# KiCad board PieBoard.kicad_pcb (continued)
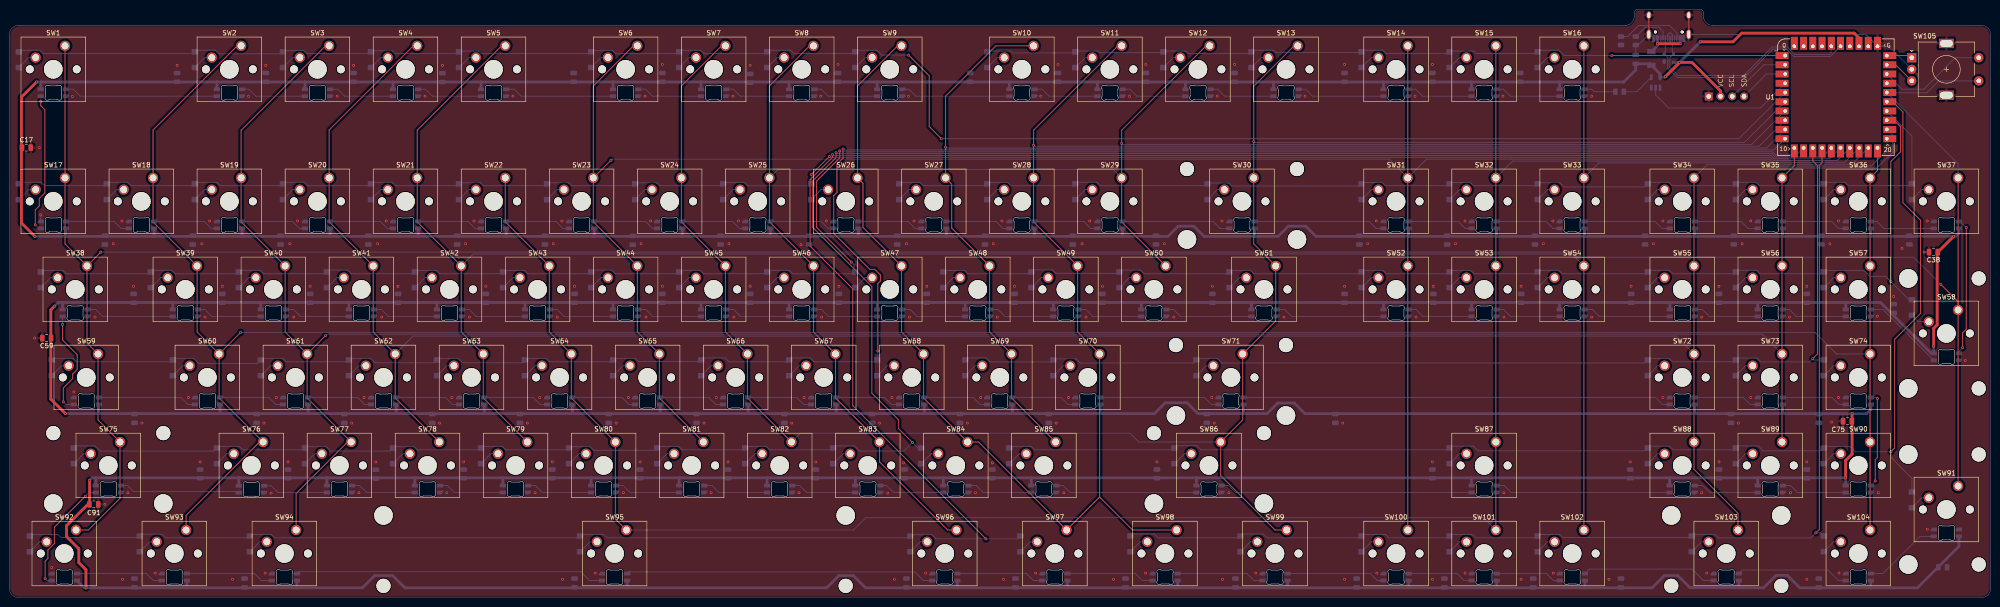
[diagram p0: board, top side]
## Library data of the parts
C1 = -: Description: Unpolarized capacitor; LCSC PN: C49678; ki_fp_filters: C_*
C2-C104 = -: Description: Unpolarized capacitor; ki_fp_filters: C_*
D1-D104 = -: Description: Diode; Sim.Pins: 1=K 2=A; LCSC PN: C2099; ki_fp_filters: TO-???* *_Diode_* *SingleDiode* D_*
D105 = -: Datasheet: https://assets.nexperia.com/documents/data-sheet/PRTR5V0U2X.pdf; Description: Ultra low capacitance double rail-to-rail ESD protection diode, SOT-143; LCSC PN: C12333; ki_fp_filters: SOT?143*
F1 = -: LCSC PN: C151162; ki_fp_filters: *Fuse*
J1 = -: Datasheet: https://www.usb.org/sites/default/files/documents/usb_type-c.zip; Description: USB 2.0-only 16P Type-C Receptacle connector; LCSC PN: C165948; ki_fp_filters: USB*C*Receptacle*
J3 = -: Description: Generic connector, single row, 01x04, script generated; ki_fp_filters: Connector*:*_1x??_*
LED1-LED104 = -: Datasheet: https://cdn-shop.adafruit.com/product-files/2686/SK6812MINI_REV.01-1-2.pdf; Description: RGB LED with integrated controller; LCSC PN: C5149201; ki_fp_filters: LED*SK6812MINI*PLCC*3.5x3.5mm*P1.75mm*
R1 R2 = -: Description: Resistor; LCSC PN: C27834; ki_fp_filters: R_*
R3 = -: Description: Resistor; LCSC PN: C17634; ki_fp_filters: R_*
SW1-SW104 = -: Description: Push button switch, generic, two pins
SW105 = -: Description: Rotary encoder, dual channel, incremental quadrate outputs, with switch and MP Pin; LCSC PN: C370992; ki_fp_filters: RotaryEncoder*Switch*
U1 = -: ki_fp_filters: RP2xxx_Stamp*
U2 = -: Datasheet: https://www.ti.com/lit/ds/symlink/sn74lv1t34.pdf; Description: Single Power Supply, Single Buffer GATE, CMOS Logic, Level Shifter, SOT-23-5; ki_fp_filters: SOT?23*

## Footprints (pads in the part's own frame, mm; a bottom-side part is the same pattern mirrored in y, then rotated)
1206L05015YR
  rect 1.16x1.82 smd: 1(-1.475,0) 2(1.475,0)
C_0805_2012Metric
  rrect 1x1.45 smd: 1(-0.95,0) 2(0.95,0)
D_SOD123
  rect 1.2x1.4 smd: 1(-1.7,0) 2(1.7,0)
LED_MX_6028R
  rrect 1.35x0.82 smd: 1(2.725,0.75) 2(2.725,-0.75) 3(-2.725,-0.75) 4(-2.725,0.75)
LED_MX_6028R-ROT
  rrect 1.35x0.82 smd: 1(-2.725,-0.75) 2(-2.725,0.75) 3(2.725,0.75) 4(2.725,-0.75)
PinHeader_1x04_P2.54mm_Horizontal
  rect 1.7x1.7 hole 1: 1(0,0)
  round 1.7 hole 1: 2(0,-2.54) 3(0,-5.08) 4(0,-7.62)
R_0805_2012Metric
  rrect 1.025x1.4 smd: 1(-0.912,0) 2(0.912,0)
RotaryEncoder_Alps_EC11E-Switch_Vertical_H20mm
  rect 2x2 hole 1: A(0,0)
  round 2 hole 1: B(0,-5) C(0,-2.5) S1(14.5,-5) S2(14.5,0)
  rect 3.2x2 hole 2.8x1.5: MP(7.5,3.1) MP(7.5,-8.1)
RP2xxx_Stamp_THT
  rect 2.8x1.5 smd: 1(-11.65,9) 2(-11.65,7) 3(-11.65,5) 4(-11.65,3) 5(-11.65,1) 6(-11.65,-1) 7(-11.65,-3) 8(-11.65,-5) 9(-11.65,-7) 10(-11.65,-9) 21(11.65,-9) 22(11.65,-7) 23(11.65,-5) 24(11.65,-3) 25(11.65,-1) 26(11.65,1) 27(11.65,3) 28(11.65,5) 29(11.65,7) 30(11.65,9)
  round 1.35 hole 0.8: 1(-11,9)
  oval 1.35x1.35 hole 0.8: 2(-11,7) 3(-11,5) 4(-11,3) 5(-11,1) 6(-11,-1) 7(-11,-3) 8(-11,-5) 9(-11,-7) 10(-11,-9) 11(-9,-11) 12(-7,-11) 13(-5,-11) 14(-3,-11) 15(-1,-11) 16(1,-11) 17(3,-11) 18(5,-11) 19(7,-11) 20(9,-11) 21(11,-9) 22(11,-7) 23(11,-5) 24(11,-3) 25(11,-1) 26(11,1) 27(11,3) 28(11,5) 29(11,7) 30(11,9) 31(9,11) 32(7,11) 33(5,11) 34(3,11) 35(1,11) 36(-1,11) 37(-3,11) 38(-5,11) 39(-7,11) 40(-9,11)
  rect 1.5x2.8 smd: 11(-9,-11.65) 12(-7,-11.65) 13(-5,-11.65) 14(-3,-11.65) 15(-1,-11.65) 16(1,-11.65) 17(3,-11.65) 18(5,-11.65) 19(7,-11.65) 20(9,-11.65) 31(9,11.65) 32(7,11.65) 33(5,11.65) 34(3,11.65) 35(1,11.65) 36(-1,11.65) 37(-3,11.65) 38(-5,11.65) 39(-7,11.65) 40(-9,11.65)
SOT-23-5
  rrect 1.325x0.6 smd: 1(-1.137,0.95) 2(-1.137,0) 3(-1.137,-0.95) 4(1.137,-0.95) 5(1.137,0.95)
SOT-143
  rrect 0.7x1 smd: 1(-1,0.75)
  rrect 0.7x0.6 smd: 2(-1,-0.95) 3(1,-0.95) 4(1,0.95)
SW_Cherry_MX_1.00u_PCB
  round 1.7 hole 1.7 unplated: (-7.62,-5.08) (2.54,-5.08)
  round 4 hole 4 unplated: (-2.54,-5.08)
  round 2.2 hole 1.5: 1(0,0) 2(-6.35,-2.54)
SW_Cherry_MX_1.25u_PCB
  round 1.7 hole 1.7 unplated: (-7.62,-5.08) (2.54,-5.08)
  round 4 hole 4 unplated: (-2.54,-5.08)
  round 2.2 hole 1.5: 1(0,0) 2(-6.35,-2.54)
SW_Cherry_MX_1.50u_PCB
  round 1.7 hole 1.7 unplated: (-7.62,-5.08) (2.54,-5.08)
  round 4 hole 4 unplated: (-2.54,-5.08)
  round 2.2 hole 1.5: 1(0,0) 2(-6.35,-2.54)
SW_Cherry_MX_1.75u_PCB
  round 1.7 hole 1.7 unplated: (-7.62,-5.08) (2.54,-5.08)
  round 4 hole 4 unplated: (-2.54,-5.08)
  round 2.2 hole 1.5: 1(0,0) 2(-6.35,-2.54)
SW_Cherry_MX_2.00u_PCB
  round 3.05 hole 3.05 unplated: (-14.44,1.92) (9.36,1.92)
  round 4 hole 4 unplated: (-14.44,-13.32) (-2.54,-5.08) (9.36,-13.32)
  round 1.7 hole 1.7 unplated: (-7.62,-5.08) (2.54,-5.08)
  round 2.2 hole 1.5: 1(0,0) 2(-6.35,-2.54)
SW_Cherry_MX_2.00u_PCB_RSTAB
  round 4 hole 4 unplated: (-14.44,3.16) (-2.54,-5.08) (9.36,3.16)
  round 3.05 hole 3.05 unplated: (-14.44,-12.08) (9.36,-12.08)
  round 1.7 hole 1.7 unplated: (-7.62,-5.08) (2.54,-5.08)
  round 2.2 hole 1.5: 1(0,0) 2(-6.35,-2.54)
SW_Cherry_MX_2.00u_Vertical_PCB_RSTAB
  round 4 hole 4 unplated: (-10.78,6.82) (-10.78,-16.98) (-2.54,-5.08)
  round 1.7 hole 1.7 unplated: (-7.62,-5.08) (2.54,-5.08)
  round 3.05 hole 3.05 unplated: (4.46,6.82) (4.46,-16.98)
  round 2.2 hole 1.5: 1(0,0) 2(-6.35,-2.54)
SW_Cherry_MX_2.25u_PCB
  round 3.05 hole 3.05 unplated: (-14.44,1.92) (9.36,1.92)
  round 4 hole 4 unplated: (-14.44,-13.32) (-2.54,-5.08) (9.36,-13.32)
  round 1.7 hole 1.7 unplated: (-7.62,-5.08) (2.54,-5.08)
  round 2.2 hole 1.5: 1(0,0) 2(-6.35,-2.54)
SW_Cherry_MX_2.75u_PCB
  round 3.05 hole 3.05 unplated: (-14.44,1.92) (9.36,1.92)
  round 4 hole 4 unplated: (-14.44,-13.32) (-2.54,-5.08) (9.36,-13.32)
  round 1.7 hole 1.7 unplated: (-7.62,-5.08) (2.54,-5.08)
  round 2.2 hole 1.5: 1(0,0) 2(-6.35,-2.54)
SW_Cherry_MX_6.25u_PCB_RSTAB
  round 4 hole 4 unplated: (-52.54,3.16) (-2.54,-5.08) (47.46,3.16)
  round 3.05 hole 3.05 unplated: (-52.54,-12.08) (47.46,-12.08)
  round 1.7 hole 1.7 unplated: (-7.62,-5.08) (2.54,-5.08)
  round 2.2 hole 1.5: 1(0,0) 2(-6.35,-2.54)
USB_C_Receptacle_HRO_TYPE-C-31-M-12
  round 0.65 hole 0.65 unplated: (-2.89,2.6) (2.89,2.6)
  rect 0.6x1.45 smd: A1(-3.25,4.045) A4(-2.45,4.045) A9(2.45,4.045) A12(3.25,4.045) B1(3.25,4.045) B4(2.45,4.045) B9(-2.45,4.045) B12(-3.25,4.045)
  rect 0.3x1.45 smd: A5(-1.25,4.045) A6(-0.25,4.045) A7(0.25,4.045) A8(1.25,4.045) B5(1.75,4.045) B6(0.75,4.045) B7(-0.75,4.045) B8(-1.75,4.045)
  oval 1x1.6 hole 0.6x1.2: S1(-4.32,-1.05) S1(4.32,-1.05)
  oval 1x2.1 hole 0.6x1.7: S1(-4.32,3.13) S1(4.32,3.13)

## Nets
3v3_LED_DATA: U1.4 U2.2
5v_LED_DATA: LED1.4 R3.1
+5V: C1.2 C2.1 C3.1 C4.1 C5.1 C6.1 C7.1 C8.1 C9.1 C10.1 C11.1 C12.1 C13.1 C14.1 C15.1 C16.1 C17.1 C18.1 C19.1 C20.1 C21.1 C22.1 C23.1 C24.1 C25.1 C26.1 C27.1 C28.1 C29.1 C30.1 C31.1 C32.1 C33.1 C34.1 C35.1 C36.1 C37.1 C38.1 C39.1 C40.1 C41.1 C42.1 C43.1 C44.1 C45.1 C46.1 C47.1 C48.1 C49.1 C50.1 C51.1 C52.1 C53.1 C54.1 C55.1 C56.1 C57.1 C58.1 C59.1 C60.1 C61.1 C62.1 C63.1 C64.1 C65.1 C66.1 C67.1 C68.1 C69.1 C70.1 C71.1 C72.1 C73.1 C74.1 C75.1 C76.1 C77.1 C78.1 C79.1 C80.1 C81.1 C82.1 C83.1 C84.1 C85.1 C86.1 C87.1 C88.1 C89.1 C90.1 C91.1 C92.1 C93.1 C94.1 C95.1 C96.1 C97.1 C98.1 C99.1 C100.1 C101.1 C102.1 C103.1 C104.1 D105.4 F1.2 J3.2 LED1.1 LED2.1 LED3.1 LED4.1 LED5.1 LED6.1 LED7.1 LED8.1 LED9.1 LED10.1 LED11.1 LED12.1 LED13.1 LED14.1 LED15.1 LED16.1 LED17.1 LED18.1 LED19.1 LED20.1 LED21.1 LED22.1 LED23.1 LED24.1 LED25.1 LED26.1 LED27.1 LED28.1 LED29.1 LED30.1 LED31.1 LED32.1 LED33.1 LED34.1 LED35.1 LED36.1 LED37.1 LED38.1 LED39.1 LED40.1 LED41.1 LED42.1 LED43.1 LED44.1 LED45.1 LED46.1 LED47.1 LED48.1 LED49.1 LED50.1 LED51.1 LED52.1 LED53.1 LED54.1 LED55.1 LED56.1 LED57.1 LED58.1 LED59.1 LED60.1 LED61.1 LED62.1 LED63.1 LED64.1 LED65.1 LED66.1 LED67.1 LED68.1 LED69.1 LED70.1 LED71.1 LED72.1 LED73.1 LED74.1 LED75.1 LED76.1 LED77.1 LED78.1 LED79.1 LED80.1 LED81.1 LED82.1 LED83.1 LED84.1 LED85.1 LED86.1 LED87.1 LED88.1 LED89.1 LED90.1 LED91.1 LED92.1 LED93.1 LED94.1 LED95.1 LED96.1 LED97.1 LED98.1 LED99.1 LED100.1 LED101.1 LED102.1 LED103.1 LED104.1 U1.33 U2.5
GND: C1.1 C2.2 C3.2 C4.2 C5.2 C6.2 C7.2 C8.2 C9.2 C10.2 C11.2 C12.2 C13.2 C14.2 C15.2 C16.2 C17.2 C18.2 C19.2 C20.2 C21.2 C22.2 C23.2 C24.2 C25.2 C26.2 C27.2 C28.2 C29.2 C30.2 C31.2 C32.2 C33.2 C34.2 C35.2 C36.2 C37.2 C38.2 C39.2 C40.2 C41.2 C42.2 C43.2 C44.2 C45.2 C46.2 C47.2 C48.2 C49.2 C50.2 C51.2 C52.2 C53.2 C54.2 C55.2 C56.2 C57.2 C58.2 C59.2 C60.2 C61.2 C62.2 C63.2 C64.2 C65.2 C66.2 C67.2 C68.2 C69.2 C70.2 C71.2 C72.2 C73.2 C74.2 C75.2 C76.2 C77.2 C78.2 C79.2 C80.2 C81.2 C82.2 C83.2 C84.2 C85.2 C86.2 C87.2 C88.2 C89.2 C90.2 C91.2 C92.2 C93.2 C94.2 C95.2 C96.2 C97.2 C98.2 C99.2 C100.2 C101.2 C102.2 C103.2 C104.2 D105.1 J1.A1 J1.A12 J1.B1 J1.B12 J1.S1 J3.1 LED1.3 LED2.3 LED3.3 LED4.3 LED5.3 LED6.3 LED7.3 LED8.3 LED9.3 LED10.3 LED11.3 LED12.3 LED13.3 LED14.3 LED15.3 LED16.3 LED17.3 LED18.3 LED19.3 LED20.3 LED21.3 LED22.3 LED23.3 LED24.3 LED25.3 LED26.3 LED27.3 LED28.3 LED29.3 LED30.3 LED31.3 LED32.3 LED33.3 LED34.3 LED35.3 LED36.3 LED37.3 LED38.3 LED39.3 LED40.3 LED41.3 LED42.3 LED43.3 LED44.3 LED45.3 LED46.3 LED47.3 LED48.3 LED49.3 LED50.3 LED51.3 LED52.3 LED53.3 LED54.3 LED55.3 LED56.3 LED57.3 LED58.3 LED59.3 LED60.3 LED61.3 LED62.3 LED63.3 LED64.3 LED65.3 LED66.3 LED67.3 LED68.3 LED69.3 LED70.3 LED71.3 LED72.3 LED73.3 LED74.3 LED75.3 LED76.3 LED77.3 LED78.3 LED79.3 LED80.3 LED81.3 LED82.3 LED83.3 LED84.3 LED85.3 LED86.3 LED87.3 LED88.3 LED89.3 LED90.3 LED91.3 LED92.3 LED93.3 LED94.3 LED95.3 LED96.3 LED97.3 LED98.3 LED99.3 LED100.3 LED101.3 LED102.3 LED103.3 LED104.3 R1.1 R2.1 SW105.C SW105.MP U1.31 U2.3
VBUS: F1.1 J1.A4 J1.A9 J1.B4 J1.B9
CC1: J1.B5 R2.2
CC2: J1.A5 R1.2
COL1: SW1.1 SW17.1 SW37.1 SW38.1 SW58.1 SW59.1 SW75.1 SW91.1 SW92.1 U1.26
COL2: SW2.1 SW18.1 SW36.1 SW39.1 SW57.1 SW60.1 SW74.1 SW76.1 SW90.1 SW93.1 SW104.1 U1.20
COL3: SW3.1 SW19.1 SW35.1 SW40.1 SW56.1 SW61.1 SW73.1 SW77.1 SW89.1 SW94.1 U1.11
COL4: SW4.1 SW20.1 SW34.1 SW41.1 SW55.1 SW62.1 SW72.1 SW78.1 SW88.1 SW103.1 U1.22
COL5: SW5.1 SW16.1 SW21.1 SW33.1 SW42.1 SW54.1 SW63.1 SW79.1 SW102.1 U1.21
COL6: SW15.1 SW22.1 SW32.1 SW43.1 SW53.1 SW64.1 SW80.1 SW87.1 SW95.1 SW101.1 U1.19
COL7: SW6.1 SW14.1 SW23.1 SW31.1 SW44.1 SW52.1 SW65.1 SW81.1 SW100.1 U1.18
COL8: SW7.1 SW13.1 SW24.1 SW30.1 SW45.1 SW51.1 SW66.1 SW71.1 SW82.1 SW86.1 SW99.1 U1.6
COL9: SW8.1 SW12.1 SW25.1 SW29.1 SW46.1 SW50.1 SW67.1 SW83.1 SW96.1 U1.7
COL10: SW9.1 SW11.1 SW26.1 SW28.1 SW47.1 SW49.1 SW68.1 SW70.1 SW84.1 SW97.1 SW98.1 U1.8
COL11: SW10.1 SW27.1 SW48.1 SW69.1 SW85.1 U1.9
Encoder_Push_A: SW105.S1 U1.27
Encoder_Push_B: SW105.S2 U1.28
Encoder_Rotate_A: SW105.A U1.30
Encoder_Rotate_B: SW105.B U1.29
OLED_SCL: J3.3 U1.2
OLED_SDA: J3.4 U1.3
ROW1: D1.1 D2.1 D3.1 D4.1 D5.1 D6.1 D7.1 D8.1 D9.1 U1.5
ROW2: D17.1 D18.1 D19.1 D20.1 D21.1 D22.1 D23.1 D24.1 D25.1 D26.1 U1.17
ROW3: D38.1 D39.1 D40.1 D41.1 D42.1 D43.1 D44.1 D45.1 D46.1 D47.1 U1.12
ROW4: D59.1 D60.1 D61.1 D62.1 D63.1 D64.1 D65.1 D66.1 D67.1 D68.1 U1.10
ROW5: D75.1 D76.1 D77.1 D78.1 D79.1 D80.1 D81.1 D82.1 D83.1 D84.1 U1.15
ROW6: D92.1 D93.1 D94.1 D95.1 D96.1 D97.1 U1.16
ROW7: D10.1 D11.1 D12.1 D13.1 D14.1 D15.1 D16.1 U1.1
ROW8: D27.1 D28.1 D29.1 D30.1 D31.1 D32.1 D33.1 D34.1 D35.1 D36.1 D37.1 U1.24
ROW9: D48.1 D49.1 D50.1 D51.1 D52.1 D53.1 D54.1 D55.1 D56.1 D57.1 D58.1 U1.23
ROW10: D69.1 D70.1 D71.1 D72.1 D73.1 D74.1 U1.13
ROW11: D85.1 D86.1 D87.1 D88.1 D89.1 D90.1 D91.1 U1.25
ROW12: D98.1 D99.1 D100.1 D101.1 D102.1 D103.1 D104.1 U1.14
USB_D+: D105.3 J1.A6 J1.B6 U1.36
USB_D-: D105.2 J1.A7 J1.B7 U1.35
Net-(D1-A): D1.2 SW1.2
Net-(D2-A): D2.2 SW2.2
Net-(D3-A): D3.2 SW3.2
Net-(D4-A): D4.2 SW4.2
Net-(D5-A): D5.2 SW5.2
Net-(D6-A): D6.2 SW6.2
Net-(D7-A): D7.2 SW7.2
Net-(D8-A): D8.2 SW8.2
Net-(D9-A): D9.2 SW9.2
Net-(D10-A): D10.2 SW10.2
Net-(D11-A): D11.2 SW11.2
Net-(D12-A): D12.2 SW12.2
Net-(D13-A): D13.2 SW13.2
Net-(D14-A): D14.2 SW14.2
Net-(D15-A): D15.2 SW15.2
Net-(D16-A): D16.2 SW16.2
Net-(D17-A): D17.2 SW17.2
Net-(D18-A): D18.2 SW18.2
Net-(D19-A): D19.2 SW19.2
Net-(D20-A): D20.2 SW20.2
Net-(D21-A): D21.2 SW21.2
Net-(D22-A): D22.2 SW22.2
Net-(D23-A): D23.2 SW23.2
Net-(D24-A): D24.2 SW24.2
Net-(D25-A): D25.2 SW25.2
Net-(D26-A): D26.2 SW26.2
Net-(D27-A): D27.2 SW27.2
Net-(D28-A): D28.2 SW28.2
Net-(D29-A): D29.2 SW29.2
Net-(D30-A): D30.2 SW30.2
Net-(D31-A): D31.2 SW31.2
Net-(D32-A): D32.2 SW32.2
Net-(D33-A): D33.2 SW33.2
Net-(D34-A): D34.2 SW34.2
Net-(D35-A): D35.2 SW35.2
Net-(D36-A): D36.2 SW36.2
Net-(D37-A): D37.2 SW37.2
Net-(D38-A): D38.2 SW38.2
Net-(D39-A): D39.2 SW39.2
Net-(D40-A): D40.2 SW40.2
Net-(D41-A): D41.2 SW41.2
Net-(D42-A): D42.2 SW42.2
Net-(D43-A): D43.2 SW43.2
Net-(D44-A): D44.2 SW44.2
Net-(D45-A): D45.2 SW45.2
Net-(D46-A): D46.2 SW46.2
Net-(D47-A): D47.2 SW47.2
Net-(D48-A): D48.2 SW48.2
Net-(D49-A): D49.2 SW49.2
Net-(D50-A): D50.2 SW50.2
Net-(D51-A): D51.2 SW51.2
Net-(D52-A): D52.2 SW52.2
Net-(D53-A): D53.2 SW53.2
Net-(D54-A): D54.2 SW54.2
Net-(D55-A): D55.2 SW55.2
Net-(D56-A): D56.2 SW56.2
Net-(D57-A): D57.2 SW57.2
Net-(D58-A): D58.2 SW58.2
Net-(D59-A): D59.2 SW59.2
Net-(D60-A): D60.2 SW60.2
Net-(D61-A): D61.2 SW61.2
Net-(D62-A): D62.2 SW62.2
Net-(D63-A): D63.2 SW63.2
Net-(D64-A): D64.2 SW64.2
Net-(D65-A): D65.2 SW65.2
Net-(D66-A): D66.2 SW66.2
Net-(D67-A): D67.2 SW67.2
Net-(D68-A): D68.2 SW68.2
Net-(D69-A): D69.2 SW69.2
Net-(D70-A): D70.2 SW70.2
Net-(D71-A): D71.2 SW71.2
Net-(D72-A): D72.2 SW72.2
Net-(D73-A): D73.2 SW73.2
Net-(D74-A): D74.2 SW74.2
Net-(D75-A): D75.2 SW75.2
Net-(D76-A): D76.2 SW76.2
Net-(D77-A): D77.2 SW77.2
Net-(D78-A): D78.2 SW78.2
Net-(D79-A): D79.2 SW79.2
Net-(D80-A): D80.2 SW80.2
Net-(D81-A): D81.2 SW81.2
Net-(D82-A): D82.2 SW82.2
Net-(D83-A): D83.2 SW83.2
Net-(D84-A): D84.2 SW84.2
Net-(D85-A): D85.2 SW85.2
Net-(D86-A): D86.2 SW86.2
Net-(D87-A): D87.2 SW87.2
Net-(D88-A): D88.2 SW88.2
Net-(D89-A): D89.2 SW89.2
Net-(D90-A): D90.2 SW90.2
Net-(D91-A): D91.2 SW91.2
Net-(D92-A): D92.2 SW92.2
Net-(D93-A): D93.2 SW93.2
Net-(D94-A): D94.2 SW94.2
Net-(D95-A): D95.2 SW95.2
Net-(D96-A): D96.2 SW96.2
Net-(D97-A): D97.2 SW97.2
Net-(D98-A): D98.2 SW98.2
Net-(D99-A): D99.2 SW99.2
Net-(D100-A): D100.2 SW100.2
Net-(D101-A): D101.2 SW101.2
Net-(D102-A): D102.2 SW102.2
Net-(D103-A): D103.2 SW103.2
Net-(D104-A): D104.2 SW104.2
Net-(LED1-DOUT): LED1.2 LED2.4
Net-(LED2-DOUT): LED2.2 LED3.4
Net-(LED3-DOUT): LED3.2 LED4.4
Net-(LED4-DOUT): LED4.2 LED5.4
Net-(LED5-DOUT): LED5.2 LED6.4
Net-(LED6-DOUT): LED6.2 LED7.4
Net-(LED7-DOUT): LED7.2 LED8.4
Net-(LED8-DOUT): LED8.2 LED9.4
Net-(LED10-DIN): LED9.2 LED10.4
Net-(LED10-DOUT): LED10.2 LED11.4
Net-(LED11-DOUT): LED11.2 LED12.4
Net-(LED12-DOUT): LED12.2 LED13.4
Net-(LED13-DOUT): LED13.2 LED14.4
Net-(LED14-DOUT): LED14.2 LED15.4
Net-(LED15-DOUT): LED15.2 LED16.4
Net-(LED16-DOUT): LED16.2 LED17.4
Net-(LED17-DOUT): LED17.2 LED18.4
Net-(LED18-DOUT): LED18.2 LED19.4
Net-(LED19-DOUT): LED19.2 LED20.4
Net-(LED20-DOUT): LED20.2 LED21.4
Net-(LED21-DOUT): LED21.2 LED22.4
Net-(LED22-DOUT): LED22.2 LED23.4
Net-(LED23-DOUT): LED23.2 LED24.4
Net-(LED24-DOUT): LED24.2 LED25.4
Net-(LED25-DOUT): LED25.2 LED26.4
Net-(LED26-DOUT): LED26.2 LED27.4
Net-(LED27-DOUT): LED27.2 LED28.4
Net-(LED28-DOUT): LED28.2 LED29.4
Net-(LED29-DOUT): LED29.2 LED30.4
Net-(LED30-DOUT): LED30.2 LED31.4
Net-(LED31-DOUT): LED31.2 LED32.4
Net-(LED32-DOUT): LED32.2 LED33.4
Net-(LED33-DOUT): LED33.2 LED34.4
Net-(LED34-DOUT): LED34.2 LED35.4
Net-(LED35-DOUT): LED35.2 LED36.4
Net-(LED36-DOUT): LED36.2 LED37.4
Net-(LED37-DOUT): LED37.2 LED38.4
Net-(LED38-DOUT): LED38.2 LED39.4
Net-(LED39-DOUT): LED39.2 LED40.4
Net-(LED40-DOUT): LED40.2 LED41.4
Net-(LED41-DOUT): LED41.2 LED42.4
Net-(LED42-DOUT): LED42.2 LED43.4
Net-(LED43-DOUT): LED43.2 LED44.4
Net-(LED44-DOUT): LED44.2 LED45.4
Net-(LED45-DOUT): LED45.2 LED46.4
Net-(LED46-DOUT): LED46.2 LED47.4
Net-(LED47-DOUT): LED47.2 LED48.4
Net-(LED48-DOUT): LED48.2 LED49.4
Net-(LED49-DOUT): LED49.2 LED50.4
Net-(LED50-DOUT): LED50.2 LED51.4
Net-(LED51-DOUT): LED51.2 LED52.4
Net-(LED52-DOUT): LED52.2 LED53.4
Net-(LED53-DOUT): LED53.2 LED54.4
Net-(LED54-DOUT): LED54.2 LED55.4
Net-(LED55-DOUT): LED55.2 LED56.4
Net-(LED56-DOUT): LED56.2 LED57.4
Net-(LED57-DOUT): LED57.2 LED58.4
Net-(LED58-DOUT): LED58.2 LED59.4
Net-(LED59-DOUT): LED59.2 LED60.4
Net-(LED60-DOUT): LED60.2 LED61.4
Net-(LED61-DOUT): LED61.2 LED62.4
Net-(LED62-DOUT): LED62.2 LED63.4
Net-(LED63-DOUT): LED63.2 LED64.4
Net-(LED64-DOUT): LED64.2 LED65.4
Net-(LED65-DOUT): LED65.2 LED66.4
Net-(LED66-DOUT): LED66.2 LED67.4
Net-(LED67-DOUT): LED67.2 LED68.4
Net-(LED68-DOUT): LED68.2 LED69.4
Net-(LED69-DOUT): LED69.2 LED70.4
Net-(LED70-DOUT): LED70.2 LED71.4
Net-(LED71-DOUT): LED71.2 LED72.4
Net-(LED72-DOUT): LED72.2 LED73.4
Net-(LED73-DOUT): LED73.2 LED74.4
Net-(LED74-DOUT): LED74.2 LED75.4
Net-(LED75-DOUT): LED75.2 LED76.4
Net-(LED76-DOUT): LED76.2 LED77.4
Net-(LED77-DOUT): LED77.2 LED78.4
Net-(LED78-DOUT): LED78.2 LED79.4
Net-(LED79-DOUT): LED79.2 LED80.4
Net-(LED80-DOUT): LED80.2 LED81.4
Net-(LED81-DOUT): LED81.2 LED82.4
Net-(LED82-DOUT): LED82.2 LED83.4
Net-(LED83-DOUT): LED83.2 LED84.4
Net-(LED84-DOUT): LED84.2 LED85.4
Net-(LED85-DOUT): LED85.2 LED86.4
Net-(LED86-DOUT): LED86.2 LED87.4
Net-(LED87-DOUT): LED87.2 LED88.4
Net-(LED88-DOUT): LED88.2 LED89.4
Net-(LED89-DOUT): LED89.2 LED90.4
Net-(LED90-DOUT): LED90.2 LED91.4
Net-(LED91-DOUT): LED91.2 LED92.4
Net-(LED92-DOUT): LED92.2 LED93.4
Net-(LED93-DOUT): LED93.2 LED94.4
Net-(LED94-DOUT): LED94.2 LED95.4
Net-(LED95-DOUT): LED95.2 LED96.4
Net-(LED96-DOUT): LED96.2 LED97.4
Net-(LED97-DOUT): LED97.2 LED98.4
Net-(LED98-DOUT): LED98.2 LED99.4
Net-(LED100-DIN): LED99.2 LED100.4
Net-(LED100-DOUT): LED100.2 LED101.4
Net-(LED101-DOUT): LED101.2 LED102.4
Net-(LED102-DOUT): LED102.2 LED103.4
Net-(LED103-DOUT): LED103.2 LED104.4
Net-(U2-Y): R3.2 U2.4

Pads without a net: J1 A8 B8; LED104 2; U1 32 34 37 38 39 40; U2 1

## Via types
v1: diameter 0.6, hole 0.3, Top to Bottom, 253 vias

## Routing (per net, layer and track width the routed paths; a pad name or vN(x,y) marks a point on that pad's centre or on a via; arc(x,y) is an arc through that point)
3v3_LED_DATA: length 33
  Bottom w0.2: U1.4 378.84,105.97 359.03,105.97 356.2,108.8 U2.2
5v_LED_DATA: length 6.8
  Bottom w0.2: LED1.4 342.37,110.03 342.9,109.5 R3.1
+5V: length 2744.8
  Top w0.6: v1(17.37,25.43) 17.37,20.57 12.4,15.6 12.4,13.25 15.05,10.6 15.05,7.6 16.6,6.05 v1(16.6,2.15) ; v1(365.85,120.3) 372.95,120.3 374.83,122.18 399.15,122.18 400.2,121.13 U1.33 ; v1(420.65,78.2) 417.1,74.65 417.1,59.05 416.35,58.3 v1(416.35,54.45) ; 358.3,112.77 v1(358.3,112.75) v1(361.39,115.84) 364.06,115.84 370.23,109.67 370.23,108.48 ; v1(398.7,39.83) 398.7,31.1 397.3,29.7 v1(397.3,25.95) ; v1(5.9,111.6) 2.63,108.33 2.63,81.11 v1(5.54,78.2) ; v1(9.8,63.1) 9,62.3 9,43 v1(12.15,39.85)
  Bottom w0.6: LED72.1 364.66,39.87 364.7,39.83 ; 83.01,111.6 63.95,111.6 ; 83.01,111.6 83.02,111.59 LED13.1 ; 83.01,111.6 102.06,111.6 ; 63.95,111.6 44.91,111.6 ; 63.95,111.6 63.97,111.58 LED14.1 ; 87.7,25.95 68.7,25.95 ; 87.7,25.95 106.75,25.95 ; 87.7,25.95 87.73,25.92 LED87.1 ; 68.7,25.95 68.72,25.94 LED88.1 ; 68.7,25.95 49.65,25.95 ; 62.25,2.15 76.4,2.15 79.05,4.8 82.95,4.8 85.6,2.15 133.7,2.15 ; 62.25,2.15 38.45,2.15 ; 62.25,2.15 62.24,2.16 62.24,3.73 ; 102.06,111.6 102.06,111.59 LED12.1 ; 102.06,111.6 130.62,111.6 ; LED51.1 149.66,63.89 149.65,63.9 ; 217,39.85 236.05,39.85 ; 217,39.85 217.02,39.86 LED69.1 ; 217,39.85 197.95,39.85 ; 236.05,39.85 247.75,39.85 250.1,42.2 254.8,42.2 257.15,39.85 267.1,39.85 ; 236.05,39.85 236.07,39.86 LED70.1 ; 88.45,78.2 107.5,78.2 ; 88.45,78.2 88.47,78.22 LED21.1 ; 88.45,78.2 69.4,78.2 ; 107.5,78.2 107.52,78.22 LED22.1 ; 107.5,78.2 126.55,78.2 ; 383.7,39.83 383.71,39.85 LED73.1 ; 383.7,39.83 v1(398.7,39.83) 401.83,39.83 402.76,40.77 LED74.1 ; 383.7,39.83 364.7,39.83 ; 183.05,25.95 163.95,25.95 ; 183.05,25.95 202.1,25.95 ; 183.05,25.95 183.04,25.94 LED82.1 ; 163.95,25.95 163.95,25.95 LED83.1 ; 163.95,25.95 144.9,25.95 ; LED18.1 31.32,78.22 31.3,78.2 ; 316.35,25.95 256.8,25.95 ; 316.35,25.95 316.36,25.94 LED78.1 ; 316.35,25.95 359.2,25.95 ; 256.8,25.95 221.1,25.95 ; 256.8,25.95 256.83,25.92 LED79.1 ; 178.9,39.85 197.95,39.85 ; 178.9,39.85 178.91,39.86 LED67.1 ; 178.9,39.85 159.85,39.85 ; 197.95,39.85 197.97,39.86 LED68.1 ; 302.75,78.2 302.76,78.22 LED31.1 ; 302.75,78.2 282.7,78.2 280.5,80.4 276.7,80.4 274.5,78.2 269.45,78.2 ; 302.75,78.2 321.8,78.2 ; 276.55,2.15 302.75,2.15 ; 276.55,2.15 276.56,2.17 LED98.1 ; 276.55,2.15 252.8,2.15 ; 302.75,2.15 321.8,2.15 ; 302.75,2.15 302.76,2.17 LED99.1 ; 19.4,39.85 19.39,39.86 19.39,41.83 ; 19.4,39.85 45.6,39.85 ; 19.4,39.85 v1(12.15,39.85) ; 364.7,78.2 383.7,78.2 ; 364.7,78.2 340.85,78.2 ; 364.7,78.2 364.71,78.22 LED34.1 ; 383.7,78.2 402.75,78.2 ; 383.7,78.2 383.71,78.22 LED35.1 ; 130.6,63.9 111.55,63.9 ; 130.6,63.9 149.65,63.9 ; 130.6,63.9 130.62,63.89 LED52.1 ; 111.55,63.9 92.5,63.9 ; 111.55,63.9 111.56,63.89 LED53.1 ; 106.75,25.95 125.85,25.95 ; 106.75,25.95 106.78,25.92 LED86.1 ; LED29.1 240.86,78.23 240.9,78.2 ; LED55.1 73.47,63.89 73.45,63.9 ; 44.91,111.6 6.81,111.6 ; 44.91,111.6 44.92,111.59 LED15.1 ; 6.81,111.6 6.82,111.59 LED16.1 ; 6.81,111.6 v1(5.9,111.6) ; 240.9,78.2 221.8,78.2 ; 240.9,78.2 250.7,78.2 252.9,80.4 256.3,80.4 258.5,78.2 269.45,78.2 ; 125.85,25.95 125.87,25.94 LED85.1 ; 125.85,25.95 144.9,25.95 ; 235.41,111.6 235.41,111.59 LED6.1 ; 235.41,111.6 216.37,111.6 ; 235.41,111.6 254.47,111.6 ; 335.41,111.6 316.35,111.6 ; 335.41,111.6 349.3,111.6 351.9,114.2 C1.2 354.95,115.55 F1.2 357.15,113.35 U2.5 357.15,112.64 358.19,112.64 v1(358.3,112.75) ; 335.41,111.6 335.41,111.59 LED1.1 ; 316.35,111.6 316.36,111.59 LED2.1 ; 316.35,111.6 297.33,111.6 ; 244.9,63.9 244.91,63.89 LED46.1 ; 244.9,63.9 225.85,63.9 ; 244.9,63.9 268.75,63.9 ; 297.3,63.9 268.75,63.9 ; 297.3,63.9 297.31,63.89 LED44.1 ; 297.3,63.9 316.35,63.9 ; 268.75,63.9 268.74,63.89 LED45.1 ; 216.37,111.6 216.37,111.59 LED7.1 ; 216.37,111.6 187.78,111.6 ; 297.33,111.6 297.31,111.59 LED3.1 ; 297.33,111.6 273.52,111.6 ; 228.95,2.15 252.8,2.15 ; 228.95,2.15 205.15,2.15 ; 228.95,2.15 228.94,2.16 LED96.1 ; 252.8,2.15 252.79,2.16 252.79,3.73 ; 206.8,63.9 187.75,63.9 ; 206.8,63.9 225.85,63.9 ; 206.8,63.9 206.81,63.89 LED48.1 ; 187.75,63.9 187.77,63.89 LED49.1 ; 187.75,63.9 168.7,63.9 ; 49.65,25.95 18.7,25.95 ; 49.65,25.95 49.67,25.94 LED89.1 ; 18.7,25.95 18.71,25.94 LED90.1 ; 18.7,25.95 17.9,25.95 v1(17.37,25.43) ; 267.1,39.85 272.15,39.85 274.45,42.15 278,42.15 280.32,39.83 364.7,39.83 ; 267.1,39.85 267.04,39.91 LED71.1 ; 45.6,39.85 64.65,39.85 ; 45.6,39.85 45.62,39.86 LED60.1 ; 225.85,63.9 225.87,63.89 LED47.1 ; v1(365.85,120.3) v1(361.39,115.84) D105.4 ; LED4.1 273.51,111.59 273.52,111.6 ; 254.47,111.6 254.47,111.59 LED5.1 ; 254.47,111.6 273.52,111.6 ; LED101.1 340.89,2.16 340.9,2.15 ; 335.4,63.9 316.35,63.9 ; 335.4,63.9 359.25,63.9 ; 335.4,63.9 335.41,63.89 LED42.1 ; 316.35,63.9 316.37,63.88 LED43.1 ; 168.7,63.9 168.72,63.89 LED50.1 ; 168.7,63.9 149.65,63.9 ; LED102.1 374.19,2.16 374.2,2.15 ; 402.75,2.15 387.4,2.15 384.7,4.85 382.25,4.85 379.55,2.15 374.2,2.15 ; 402.75,2.15 402.76,2.16 LED103.1 ; 402.75,2.15 412.85,2.15 421.81,11.12 LED104.1 ; 397.3,63.9 397.31,63.89 LED39.1 ; 397.3,63.9 378.25,63.9 ; 397.3,63.9 404.85,63.9 415.87,52.88 LED38.1 416.35,52.9 v1(416.35,54.45) ; 64.65,39.85 83.7,39.85 ; 64.65,39.85 64.67,39.86 LED61.1 ; 83.7,39.85 83.72,39.86 LED62.1 ; 83.7,39.85 102.75,39.85 ; LED75.1 397.3,24.29 v1(397.3,25.95) 378.25,25.95 ; 73.45,63.9 92.5,63.9 ; 73.45,63.9 54.45,63.9 ; 202.1,25.95 221.1,25.95 ; 202.1,25.95 202.08,25.93 LED81.1 ; 374.2,2.15 374.15,2.2 363.6,2.2 361,4.8 358.1,4.8 355.45,2.15 340.9,2.15 ; LED54.1 92.52,63.89 92.5,63.9 ; LED94.1 133.69,2.16 133.7,2.15 ; 378.25,25.95 359.2,25.95 ; 378.25,25.95 378.26,25.94 LED76.1 ; 359.2,25.95 359.21,25.94 LED77.1 ; 50.35,78.2 69.4,78.2 ; 50.35,78.2 50.37,78.22 LED19.1 ; 50.35,78.2 31.3,78.2 ; 69.4,78.2 69.42,78.22 LED20.1 ; 205.15,2.15 185.25,2.15 182.6,4.8 179.5,4.8 176.85,2.15 133.7,2.15 ; 205.15,2.15 205.14,2.16 205.14,3.73 ; LED11.1 130.62,111.6 130.62,111.6 ; 269.45,78.2 269.42,78.23 LED30.1 ; v1(9.8,63.1) 10.6,63.9 11.5,63.9 ; 221.8,78.2 221.81,78.22 LED28.1 ; 221.8,78.2 202.75,78.2 ; LED36.1 402.76,78.22 402.75,78.2 ; 321.8,2.15 340.9,2.15 ; 321.8,2.15 321.81,2.17 LED100.1 ; LED56.1 54.42,63.86 54.45,63.9 ; 221.1,25.95 221.12,25.94 LED80.1 ; 183.7,78.2 202.75,78.2 ; 183.7,78.2 164.65,78.2 ; 183.7,78.2 183.72,78.22 LED26.1 ; 202.75,78.2 202.77,78.22 LED27.1 ; 359.25,63.9 359.26,63.89 LED41.1 ; 359.25,63.9 378.25,63.9 ; LED64.1 121.81,39.89 121.85,39.85 ; 145.6,78.2 145.62,78.22 LED24.1 ; 145.6,78.2 126.55,78.2 ; 145.6,78.2 164.65,78.2 ; LED9.1 168.72,111.6 168.72,111.6 ; 11.5,63.9 11.54,63.86 11.54,62.38 ; 11.5,63.9 35.35,63.9 ; 321.8,78.2 321.81,78.22 LED32.1 ; 321.8,78.2 340.85,78.2 ; 140.85,39.85 140.84,39.86 LED65.1 ; 140.85,39.85 159.85,39.85 ; 140.85,39.85 121.85,39.85 ; 159.85,39.85 159.87,39.86 LED66.1 ; 126.55,78.2 126.56,78.22 LED23.1 ; 38.45,2.15 v1(16.6,2.15) 16.22,2.15 LED91.1 ; 38.45,2.15 38.44,2.16 LED92.1 ; 340.85,78.2 340.86,78.22 LED33.1 ; v1(5.54,78.2) 12.3,78.2 ; 12.3,78.2 31.3,78.2 ; 12.3,78.2 12.26,78.23 LED17.1 ; 402.75,78.2 v1(420.65,78.2) 421.1,78.2 421.81,78.92 LED37.1 ; 149.66,111.6 130.62,111.6 ; 149.66,111.6 149.66,111.59 LED10.1 ; 149.66,111.6 168.72,111.6 ; 35.35,63.9 35.36,63.89 LED57.1 ; 35.35,63.9 54.45,63.9 ; LED8.1 187.77,111.59 187.78,111.6 ; 144.9,25.95 144.91,25.94 LED84.1 ; 164.65,78.2 164.67,78.22 LED25.1 ; 121.85,39.85 102.75,39.85 ; 102.75,39.85 102.77,39.86 LED63.1 ; 187.78,111.6 168.72,111.6 ; 378.25,63.9 378.26,63.89 LED40.1
GND: length 70.5
  Top w0.2: 354.73,126.1 354.73,121.92 354.73,122.17 ; 363.37,126.1 363.37,121.92 363.37,122.17
  Bottom w0.2: SW105.C 406.62,119.33 U1.31 401.63,121.9 J1.S1 363.21,121.9 J1.A12 ; v1(6.81,82.85) 6.82,82.84 LED17.3 ; J1.A1 354.88,121.9 J1.S1 352.44,119.62 R1.1 351.9,119.61 C1.1
  vias: v1(5.5,56.2) v1(6.5,97.4) v1(9.17,6.53) v1(13.65,108.5) v1(13.96,44.53) v1(18.57,60.73) v1(20.7,20.2) v1(22.5,76.6) v1(24.36,81.53) v1(24.5,4) v1(25.67,22.73) v1(26.9,67.4) v1(28.7,37.8) v1(31.57,5.33) v1(36.3,115.2) v1(38.77,43.33) v1(41.3,29.4) v1(41.7,76.6) v1(42.37,60.73) v1(43.37,81.53) v1(46.1,67.4) v1(48.3,4) v1(51.77,108.53) v1(55.1,37.8) v1(55.37,5.33) v1(55.5,115.2) v1(56.67,22.63) v1(57.77,43.33) v1(60.3,29.4) v1(60.7,76.6) v1(61.56,60.73) v1(62.37,81.53) v1(65.1,67.4) v1(70.97,108.53) v1(74.1,37.8) v1(74.5,115.2) v1(75.67,22.73) v1(76.77,43.33) v1(79.3,29.4) v1(79.7,76.6) v1(80.56,60.73) v1(81.56,81.53) v1(84.1,67.4) v1(89.97,108.53) v1(93.1,37.8) v1(93.7,115.2) v1(94.67,22.73) v1(95.77,43.33) v1(98.3,29.4) v1(98.7,76.6) v1(99.56,60.73) v1(100.56,81.53) v1(103.1,67.4) v1(108.97,108.53) v1(112.1,37.8) v1(113.77,22.73) v1(114.77,43.33) v1(117.5,29.4) v1(117.7,76.6) v1(118.56,60.73) v1(119.56,81.53) v1(119.7,4) v1(122.3,67.4) v1(126.77,5.33) v1(131.3,37.8) v1(132.87,22.73) v1(133.97,43.33) v1(136.5,29.4) v1(136.7,76.6) v1(137.56,108.53) v1(137.77,60.73) v1(138.77,81.53) v1(141.3,115.4) v1(141.3,67.4) v1(150.3,37.8) v1(151.87,22.73) v1(152.97,43.33) v1(155.5,29.4) v1(155.7,76.6) v1(156.56,108.53) v1(156.77,60.73) v1(157.77,81.53) v1(160.3,115.2) v1(160.3,67.4) v1(169.3,37.8) v1(170.87,22.73) v1(171.3,76.4) v1(171.97,43.33) v1(174.5,29.4) v1(175.56,108.53) v1(175.77,60.73) v1(176.77,81.53) v1(179.3,115.4) v1(179.5,67.4) v1(188.3,37.8) v1(190.06,22.63) v1(190.97,43.33) v1(191.5,4) v1(193.5,29.2) v1(194.1,76.6) v1(194.56,108.53) v1(194.77,60.73) v1(195.77,81.53) v1(198.27,5.33) v1(198.5,67.4) v1(207.3,37.8) v1(209.06,22.73) v1(210.16,43.33) v1(212.7,29.2) v1(212.9,76.6) v1(213.77,60.73) v1(214.77,81.53) v1(215.1,4) v1(217.5,67.4) v1(222.06,5.33) v1(223.16,108.53) v1(226.5,37.8) v1(226.9,115.4) v1(228.16,22.73) v1(229.16,43.33) v1(232.1,76.6) v1(232.97,60.73) v1(233.77,81.53) v1(236.5,67.4) v1(238.9,4) v1(242.36,108.53) v1(245.9,115.4) v1(245.86,5.33) v1(248.3,29.4) v1(249.9,76.6) v1(251.97,60.73) v1(260.16,43.33) v1(260.3,67.4) v1(260.7,37.8) v1(261.36,108.53) v1(262.36,81.53) v1(262.5,4) v1(263.86,22.73) v1(265.1,115.4) v1(269.66,5.33) v1(275.76,60.73) v1(280.36,108.53) v1(288.5,37.8) v1(288.9,115.4) v1(288.9,67.4) v1(288.9,4) v1(293.9,76.6) v1(295.76,81.53) v1(295.86,5.33) v1(304.16,108.53) v1(304.36,60.73) v1(307.9,115.4) v1(307.9,29.4) v1(307.9,4) v1(308.1,67.4) v1(312.9,76.6) v1(314.96,81.53) v1(314.96,5.33) v1(323.16,108.53) v1(323.36,60.73) v1(323.36,22.73) v1(327.1,67.4) v1(327.1,4) v1(331.9,76.6) v1(333.96,81.53) v1(334.06,5.33) v1(342.36,108.53) v1(342.36,60.73) v1(346.1,4) v1(350.7,29.4) v1(350.9,67.4) v1(355.7,76.6) v1(357.76,81.53) v1(357.76,43.33) v1(366.16,60.73) v1(366.16,22.73) v1(367.26,5.33) v1(369.9,67.4) v1(369.9,29.4) v1(374.1,37.8) v1(374.9,76.6) v1(376.76,81.53) v1(376.76,43.33) v1(385.16,60.73) v1(385.36,22.73) v1(388.9,67.4) v1(388.9,29.4) v1(388.9,4) v1(393.9,76.6) v1(394.3,38) v1(395.76,81.53) v1(395.76,43.33) v1(395.86,5.33) v1(404.16,60.93) v1(404.36,22.73) v1(407.7,65.2) v1(409.5,75.6) v1(414.3,74.8) v1(414.96,81.53) v1(414.96,14.83) v1(423.16,51.33)
